# Altium PCB Freezer_Controller.PcbDoc (part 2 of 3)
Units mm, origin at the board's own origin, x right, y up, seen from the top; angles counter-clockwise.
Board outline 100 x 143.2 mm, 4 copper layers (Top Layer, Layer 1, Layer 2, Bottom Layer), stack 1.56 mm thick; 351 components, 222 nets, 1051 pads, 501 vias.
Unrouted connection lines stored in the file: 1.
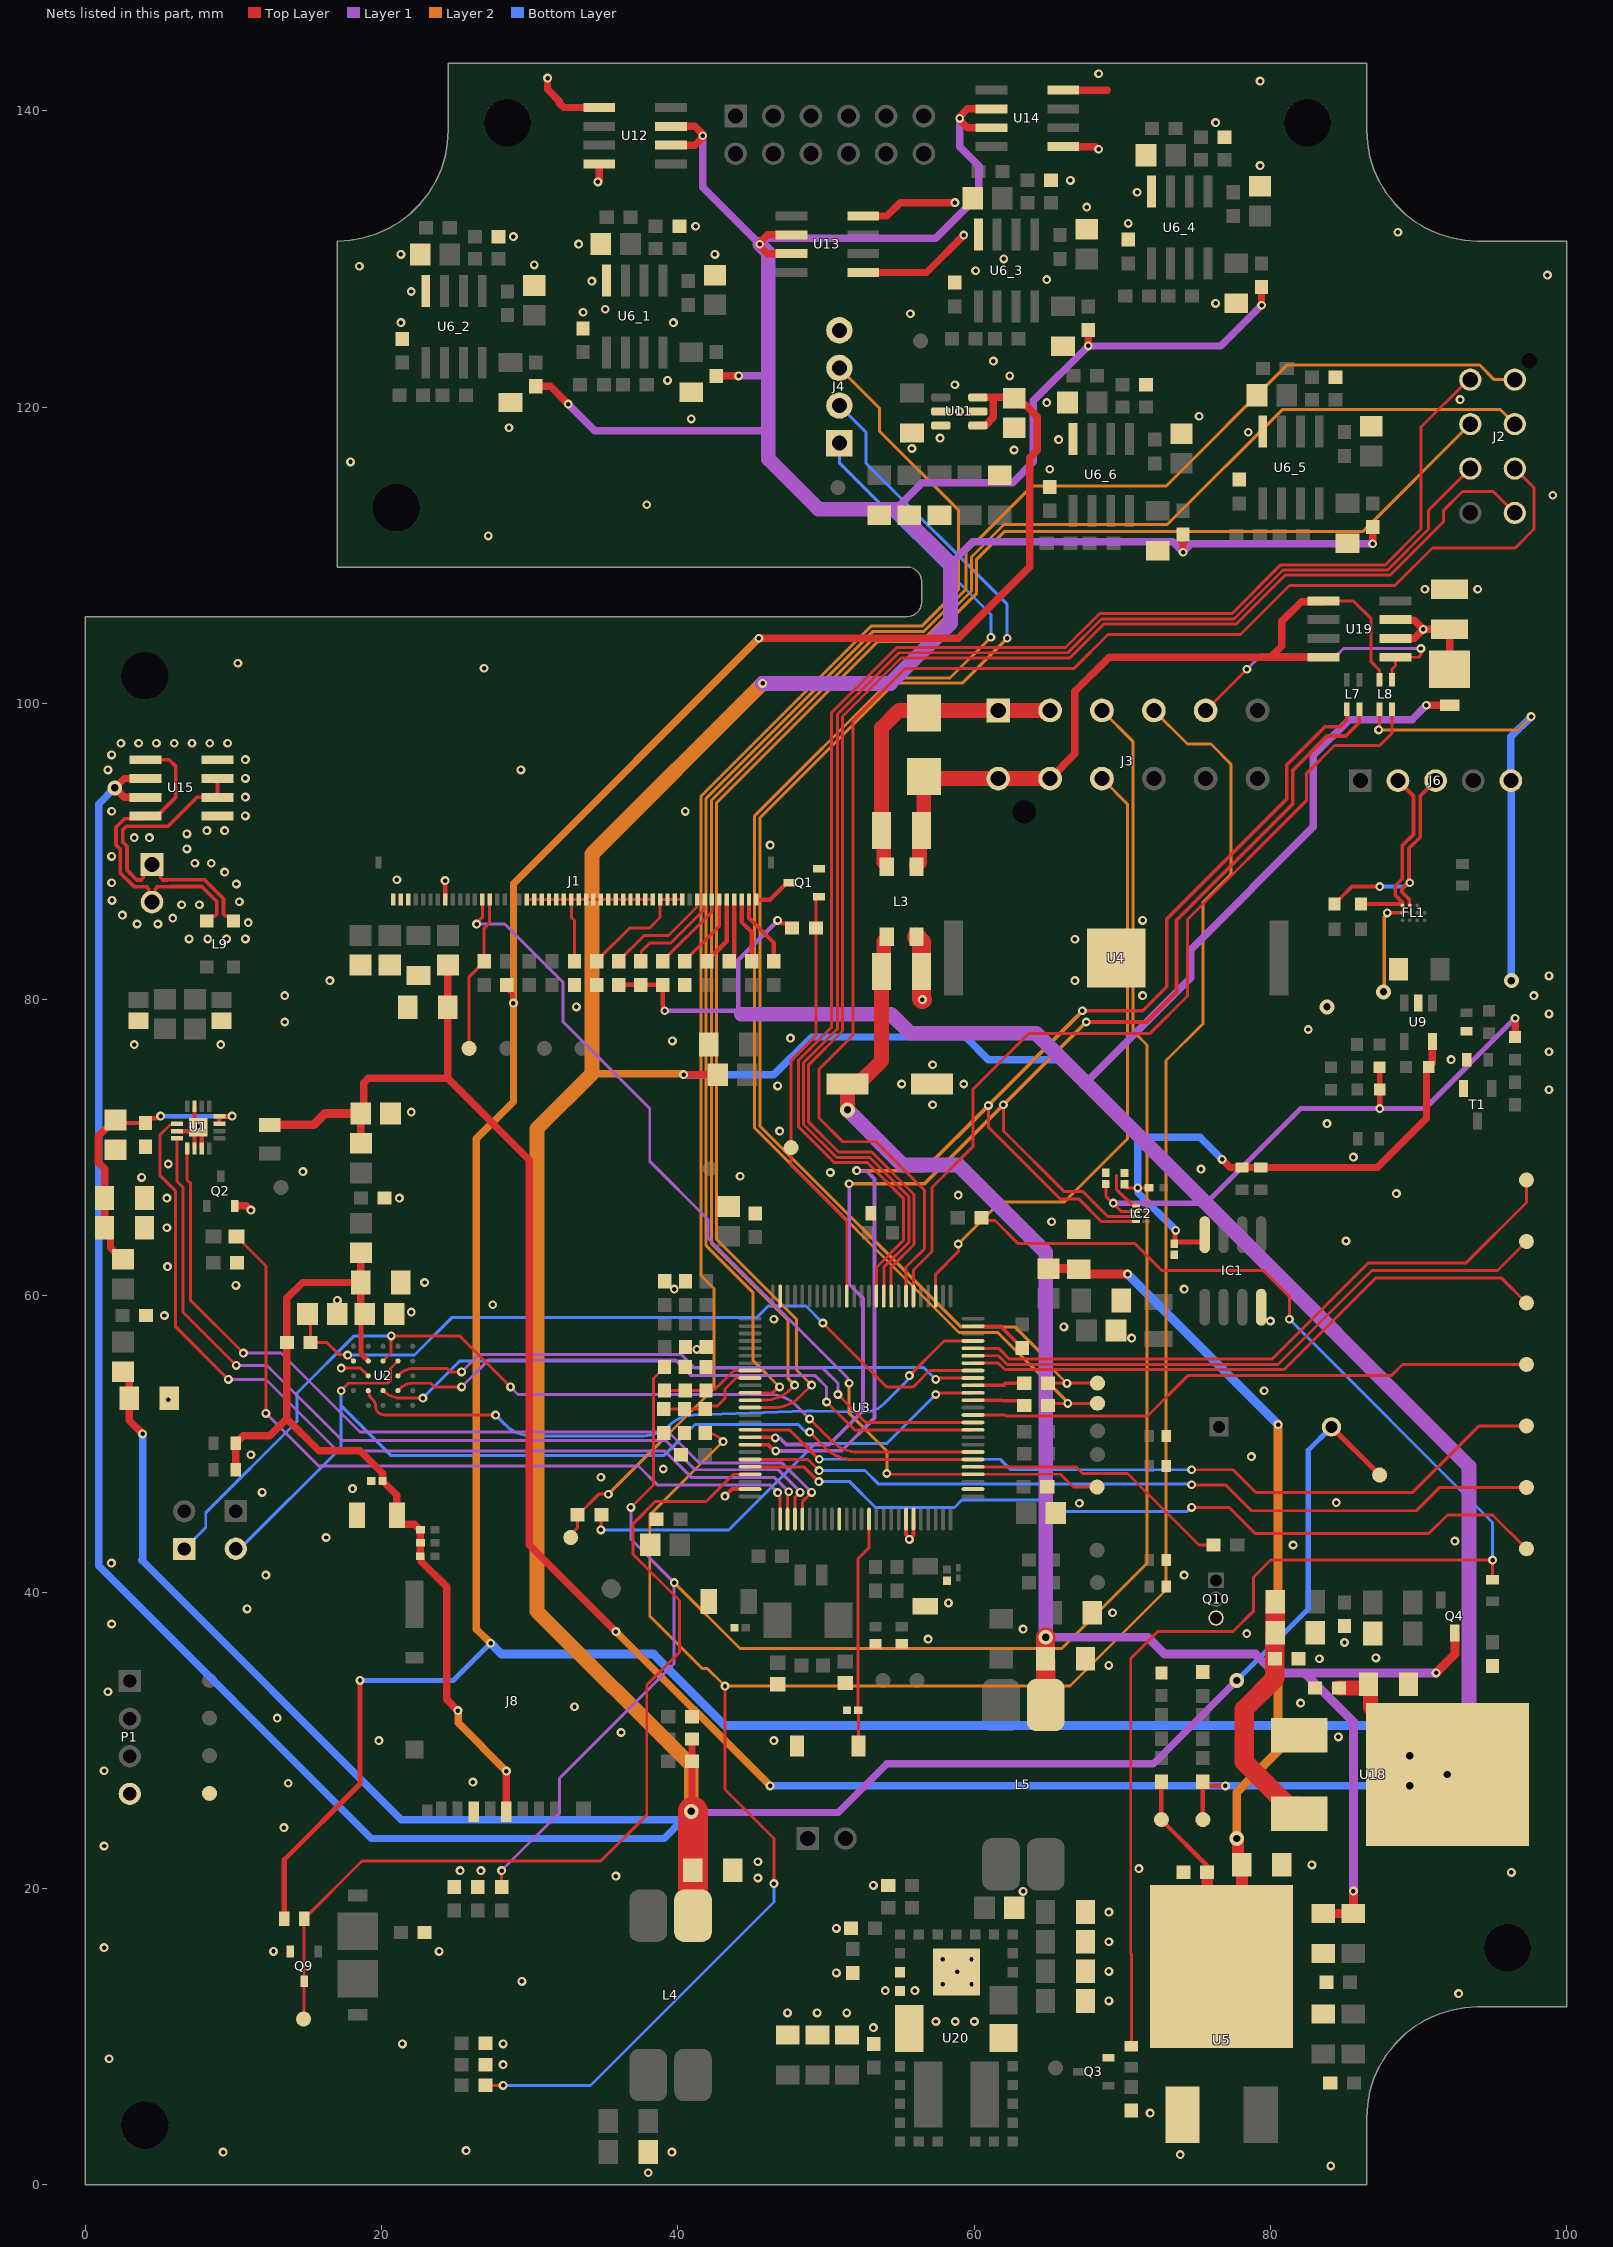
[diagram p4: the nets of this part, all layers, seen from the top]

## Part data
3V3 +3.3V +5V EXT_PWR_ON TP1: "Test Point 0.3mm", ComponentLink1Description=Datasheet, PartType=Mechanical
BTN1 BTN2 BTN3 CLK DIO GND IO1 IO2 IO3 IO4 IO5 IO6 IO7 RTD1 RTD2 RTD3 RTD4 RTD5 RTD6 SD_MODE1 TP2 TP20 TP21 TP22 TP23 TP24 TP25 TP26 TP27 VCC: library part NS00254, "Testpoint 2mm round", Part Number=NS00254, Type=Mechanical
C1 C2 C10 C11 C14 C15 C16 C26 C27 C35_1 C35_2 C35_3 C35_4 C35_5 C35_6 C45 C46 C59 C60 C61 C62 C63 C64 C65 C76 C77 C80 C86 C89 C92: library part NS00832, "CAP CER 10UF 50V X7R 1206", Supplier Part Number 1=1276-6767-1-ND, Alternatives=Generic, Part Number=NS00832, Supplier 1=Digi-Key, Type=C
C3 C13 C52: library part NS00871, "CAP CER 1UF 50V X7R 0805", Supplier Part Number 1=1276-6470-1-ND, Alternatives=Generic, Part Number=NS00871, Supplier 1=Digi-Key, Type=C
C4 C34_1 C34_2 C34_3 C34_4 C34_5 C34_6 C55 C56 C57 C58 C78 C79 C81 C82 C83 C84 C85 C88 C90 C91 C94: library part NS00848, "CAP CER 10000PF 100V C0G 0603", Supplier Part Number 1=445-172665-1-ND, Alternatives=Generic, Part Number=NS00848, Supplier 1=Digi-Key, Type=C
C5 C6: library part CMP-1036-02336-2, Manufacturer=Kemet, Part Number=C0805C221J2GACTU
C7 C12 C17 C22 C23 C24 C25 C36_1 C36_2 C36_3 C36_4 C36_5 C36_6 C37_1 C37_2 C37_3 C37_4 C37_5 C37_6 C71 C87: library part NS00353, "0.10µF ±10% 50V Ceramic Capacitor X7R 0805 (2012 Metric)", Supplier Part Number 1=478-1395-1-ND, Alternatives=Generic, Part Number=NS00353, Supplier 1=Digi-Key, Type=C
C8 C9: library part CMP-2006-02630-1, "GRM1885C1H200JA01J", Manufacturer=Murata, Part Number=GRM1885C1H200JA01J
C18 C19 C20 C21: library part NS00847, "CAP CER 1000PF 100V C0G/NP0 0603", Supplier Part Number 1=732-12187-1-ND, Alternatives=Generic, Part Number=NS00847, Supplier 1=Digi-Key, Type=C
C28 C30 C32 C70 C73 C74 C75: library part CMP-0001-00074-2, Supplier Part Number 1=399-C0402C104K4RAC7867TR-ND
  C28 C30 C70: Supplier 1=Digi-Key
  C32 C73 C74 C75: Suuplier 1=Digi-Key
C29 C31 C33: library part "Cap Semi", "Capacitor (Semiconductor SIM Model)", Supplier Part Number 1=399-C1206C105K4RAC7800TR-ND, LatestRevisionDate=29-May-2009, LatestRevisionNote="IPC-7351 Footprint Added.", PackageDescription="Chip Capacitor", PackageReference=C1206, Published=8-Jun-2000, Publisher="Altium Limited", Supplier 1=Digi-Key
C38 C39 C40 C41 C43 C44: library part CMP-2000-06093-2, "CAP CER 1UF 16V X7R 0603", Manufacturer="Samsung Electro-Mechanics America, Inc", Manufacturer Part Number=CL10B105KO8NNNC, Supplier Part Number=1276-1019-2-ND, Temperature="-55°C to +125°C", Temperature Characteristic=X7R, Temperature Coefficient=15%, Temperature Range High=+125°C, Temperature Range Low=-55°C, Tolerance=10%, Voltage Rating=16V, Automotive=No, Capacitance=1uF, Category=Cap, ComponentLink2Description=Datasheet, ComponentLink2URL=http://www.samsungsem.com/global/front/downloadcms.do?path=%2F%2Fglobal%2F%2Fsupport%2F%2Fproduct-search%2F%2Fmlcc%2F%2F__icsFiles%2F%2Fafieldfile%2F%2F2019%2F%2F06%2F%2F18&fileName=CL10B105KO8NNNC-19.pdf, Device Class L1="Passive Components", Device Class L2=Capacitors, Device Class L3="Ceramic Capacitors", Digikey Description="CAP CER 1UF 16V X7R 0603", Height=0.9mm, Ipc Land Pattern Name=CAPC16080X80, Lead Free=Yes, Material=Ceramic, Octopart=https://octopart.com/cl10b105ko8nnnc-samsung-19018973, Package=CL10B105KO8NNNC, RoHS=TRUE, Supplier 1=Digikey
C42: library part "Cap Pol1", "Polarized Capacitor (Radial)", Published=8-Jun-2000, Publisher="Altium Limited", Revision="July-2002: Re-released for DXP Platform."
C47 C48 C53 C66 C67 C68 C69: library part NS00824, "CAP CER 2.2UF 50V X7R 1206", Supplier Part Number 1=1276-3137-1-ND, Alternatives=Generic, Part Number=NS00824, Supplier 1=Digi-Key, Type=C
C49: library part NS00911, "CAP ALUM 100UF 20% 35V SMD", Supplier Part Number 1=PCE5051CT-ND, Alternatives=Generic, Part Number=NS00911, Supplier 1=Digi-Key, Type=C
C50 C51 C72: library part NS00779, "MLCC 10UF 100V X7S 1210", Supplier Part Number 1=1276-CL32Y106KCVZNWECT-ND, Alternatives=Generic, Part Number=NS00779, Supplier 1=Digi-Key, Type=C
D1 D8 D9: library part NS00945, "LED RED CLEAR 1608 SMD", Supplier Part Number 1=3147-B1911USD-20D000114U1930CT-ND, ComponentLink1Description=Datasheet, ComponentLink1URL=H:\Doc\Harvatek\B1911USD-20D000114U1930.pdf, Part Number=NS00945, Supplier 1=Digi-Key, Type=IC
D2: library part MCD-00251, "High power transient voltage suppressor, 7V breakdown", Manuf_1=STM, ComponentLink1URL=ST_ESDA7P60-1U1M.pdf, ECCN_US/EU=EAR99/NEC, Fitted=YES, Internal_Part_Number=MCD-00251, Manuf_Part_1=ESDA7P60-1U1M, Manufacturer_1=STM, Manufacturer_Part_Number_1=ESDA7P60-1U1M, Ordered by=STM, PartType=ICS, Provided_By=STM
D4: library part NS00890, "TVS DIODE 28VWM 45.4VC SMB", Supplier Part Number 1=SMBJ28CAQ-13-FDICT-ND, ComponentLink1Description=Datasheet, ComponentLink1URL=H:\Doc\Diodes\SMBJ6.5CAQ-SMBJ100CAQ.pdf, Part Number=NS00890, Supplier 1=Digi-Key, Type=Diode
D6 D7 D10: library part NS00857, "SCHOTTKY RECTIFIER 3A 100V SMP", Supplier Part Number 1=112-V3PM10-M3/HCT-ND, ComponentLink1Description=Datasheet, ComponentLink1URL=H:\Doc\Vishay\v3pm10.pdf, Part Number=NS00857, Supplier 1=Digi-Key, Type=Diode
FB1 FB2 FB3 FB4 FB5 FB6 FB7 FB11 FB12: library part NS00881, "WE-CBA SMT EMI SUPPRESSION FERRITE", Supplier Part Number 1=732-782853162CT-ND, ComponentLink1Description=Datasheet, ComponentLink1URL=H:\Doc\Wurth\782853162.pdf, Part Number=NS00881, Supplier 1=Digi-Key, Type=Inductor
FB8 FB9 FB10 FB16: library part NS00883, "FERRITE BEAD 120 OHM 1206 1LN", Supplier Part Number 1=490-16523-1-ND, ComponentLink1Description=Datasheet, ComponentLink1URL=H:\Doc\Murata\QNFA9148.pdf, Part Number=NS00883, Supplier 1=Digi-Key, Type=Inductor
FL1: library part CMP-12082-000002-1, "FILTER RC(PI) 33 OHM/20PF SMD", Case/Package=FCBGA, DC Resistance (DCR)=2R, Max Operating Temperature=85°C, Min Operating Temperature=-40°C, Package Quantity=5000, Tolerance=5%, Depth=1.57mm, ESD Protection=Yes, Height=0.028inch, Lead Free="Lead Free", Length=1.94mm, Mount="Surface Mount", Number of Channels=2, Number of Pins=11, Packaging="Tape and Reel", Radiation Hardening=No, REACH SVHC="No SVHC", RoHS Compliant=Yes, Series=EMIF, Termination=Flat, Width=0.057inch
IC1: "Integrated Circuit", Manufacturer_Name="Maxim Integrated", Mouser Part Number=700-DS1307Z, RS Part Number=1698316, Supplier Part Number 1=DS1307Z+-ND, Datasheet Link=http://datasheets.maximintegrated.com/en/ds/DS1307.pdf, Height=1.75mm, Manufacturer_Part_Number=DS1307Z+, Mouser Price/Stock=https://www.mouser.com/Search/Refine.aspx?Keyword=700-DS1307Z, RS Price/Stock=http://uk.rs-online.com/web/p/products/1698316, Supplier 1=Digi-Key
IC2: "Integrated Circuit", Manufacturer_Name="Texas Instruments", Mouser Part Number=595-PCA9306DQER, Supplier Part Number 1=296-27957-2-ND, Arrow Part Number=PCA9306DQER, Arrow Price/Stock=https://www.arrow.com/en/products/pca9306dqer/texas-instruments, Datasheet Link=http://www.ti.com/lit/ds/symlink/pca9306.pdf, Height=0.4mm, Manufacturer_Part_Number=PCA9306DQER, Mouser Price/Stock=https://www.mouser.co.uk/ProductDetail/Texas-Instruments/PCA9306DQER?qs=g5raLcSarOb3s8X2FUFJYw%3D%3D, Supplier 1=Digi-Key
J1: library part NS00813, "CONN FFC 50 WAY", ComponentLink1Description=Datasheet, ComponentLink1URL=H:\Doc\Hirose\FH34SRJ-50S-0.5SH(50)_CL0580-1266-2-50_SpecSheet_0000414509.pdf, ComponentLink2Description=Drawing, ComponentLink2URL=H:\Doc\Hirose\FH34SRJ-50S-0.5SH(50)_CL0580-1266-2-50_2DDrawing_0001483059.pdf, Part Number=NS00813, Supplier 1=Digi-Key, Supplier Part Number 1=FH34SRJ-50S-0.5SH(50), Type=Connector
J2: library part "Header 4X2", "Header, 4-Pin, Dual row", LatestRevisionDate=17-Jul-2002, LatestRevisionNote="Re-released for DXP Platform.", Publisher="Altium Limited", Supplier 1=Farnell, Supplier Part Number 1=MC-254-08-00-ST-DIP
J3: library part NS00894, "CONN HEADER VERT 12POS 3.5MM", Supplier Part Number 1=WM11767-ND, ComponentLink1Description=Datasheet, ComponentLink1URL=H:\Doc\Molex\1722982212_PCB_HEADERS.pdf, ComponentLink2Description="Application Specification", ComponentLink2URL=H:\Doc\Molex\AS-172323-0001-001.pdf, ComponentLink3Description=Drawing, ComponentLink3URL=H:\Doc\Molex\1722982212_sd.pdf, Part Number=NS00894, Supplier 1=Digi-Key, Type=Connector
J4: library part NS00337, "4 Positions Header, Unshrouded Connector 0.100\" (2.54mm) Through Hole Gold", Supplier Part Number 1=WM2702-ND, Alternatives=Generic, ComponentLink1Description=Datasheet, ComponentLink1URL=H:\Doc\Molex\PS-10-07.pdf, ComponentLink2Description=Drawing, ComponentLink2URL=H:\Doc\Molex\022112022_sd.pdf, Part Number=NS00337, Supplier 1=Digi-Key, Type=Connector
J5: library part NS00892, "CONN HEADER VERT 12POS 2.54MM", Supplier Part Number 1=SAM8941-ND, ComponentLink1Description=Datasheet, ComponentLink1URL=H:\Doc\Samtec\100_mini_mate.pdf, ComponentLink2Description=Dimensions, ComponentLink2URL=H:\Doc\Samtec\ipl1.pdf, Part Number=NS00892, Supplier 1=Digi-Key, Type=Connector
J6: library part NS00898, "CONN HEADER VERT 5POS 2.54MM", Supplier Part Number 1=SAM10577-ND, ComponentLink1Description=Datasheet, ComponentLink1URL=H:\Doc\Samtec\100_mini_mate.pdf, ComponentLink2Description=Dimensions, ComponentLink2URL=H:\Doc\Samtec\ipl1.pdf, Part Number=NS00898, Supplier 1=Digi-Key, Type=Connector
J7 J9: library part NS00896, "CONN HEADER VERT 2POS 2.54MM", Supplier Part Number 1=SAM8824-ND, ComponentLink1Description=Datasheet, ComponentLink1URL=H:\Doc\Samtec\100_mini_mate.pdf, ComponentLink2Description=Dimensions, ComponentLink2URL=H:\Doc\Samtec\ipl1.pdf, Part Number=NS00896, Supplier 1=Digi-Key, Type=Connector
J8: library part CMP-11597-000004-1, "CONN MICRO SD CARD PUSH-PUSH R/A", Contact Resistance=100mR, Current Rating=500mA, Flammability Rating="UL94 V-0", Insulation Resistance=1GR, Max Operating Temperature=85°C, Max Voltage Rating (AC)=125V, Min Operating Temperature=-25°C, Package Quantity=1, Supplier Part Number 1=HR1942TR-ND, Connector Type=Connector, Contact Material="Copper Alloy", Contact Plating=Gold, Depth=1.83mm, Gender=Female, Housing Material=Polymer, Lead Free="Lead Free", Length=13.85mm, Max Current Rating=500mA, Mount="Surface Mount", Number of Contacts=8, Number of Positions=8, Number of Rows=1, Orientation="Right Angle", Packaging="Tape and Reel", Pitch=1.1mm, Radiation Hardening=No, REACH SVHC="No SVHC", Supplier 1=Digi-Key, Termination=Solder, Voltage Rating (AC)=125V, Width=16.05mm
L3: library part NS00257, "CHOKE COMMON MODE 420 OHM SMD", Supplier Part Number 1=445-8644-1-ND, ComponentLink1Description=Datasheet, ComponentLink1URL=H:\Doc\TDK\cmf_commercial_power_acm4520_en.pdf, Part Number=NS00257, Supplier 1=Digi-Key, Type=Inductor
L4 L5: library part NS00831, "INDUCT ARRAY 2 COIL 6.6UH SMD", Supplier Part Number 1=553-3631-ND, ComponentLink1Description=Datasheet, ComponentLink1URL=H:\Doc\pulse\SPM2007_28.pdf, Part Number=NS00831, Supplier 1=Digi-Key, Type=Inductor
L7 L8: library part NS00042, "INDUCTOR COMMON MODE 90 OHM 25%", Supplier Part Number 1=SRF2012-900YATR-ND, ComponentLink1Description=Datasheet, ComponentLink1URL=H:\Doc\Bourns\SRF2012A.pdf, Part Number=NS00042, Supplier 1=Digi-Key, Type=Inductor
L9: library part NS00953, "CMC 1A 2LN 600 OHM SMD", Supplier Part Number 1=553-PE-1210CCMC601STSCT-ND, ComponentLink1Description=Datasheet, ComponentLink1URL=H:\Doc\pulse\datasheet_w719_1608373692.pdf, Part Number=NS00953, Supplier 1=Digi-Key, Type=Inductor
L10: library part Inductor, "Inductor", Supplier Part Number 1=490-5622-2-ND, Code_IEC=1005, Code_JEITA=0402, LatestRevisionDate=29-May-2009, LatestRevisionNote="IPC-7351 Footprint Added.", PackageDescription="Chip Inductor", PackageReference=0402-A, Published=8-Jun-2000, Publisher="Altium Limited", Supplier 1=Digi-Key
LD1 LD2: library part LED2, "Typical RED, GREEN, YELLOW, AMBER GaAs LED", Published=8-Jun-2000, Publisher="Altium Limited", Revision="July-2002: Re-released for DXP Platform."
LED1: "LED", Manufacturer_Name="Wurth Elektronik", Mouser Part Number=710-150060GS73220, RS Part Number=1766086, Supplier Part Number 1=732-11995-2-ND, Datasheet Link=https://katalog.we-online.de/led/datasheet/150060GS73220.pdf, Height=0.3mm, Manufacturer_Part_Number=150060GS73220, Mouser Price/Stock=https://www.mouser.com/Search/Refine.aspx?Keyword=710-150060GS73220, RS Price/Stock=https://uk.rs-online.com/web/p/products/1766086, Supplier 1=Digi-Key
LS1: library part CMP-231724-000001-1, "AUDIO MAGNETIC INDICATOR 3-7V TH", Color=Black, Current Rating=30mA, Frequency=2.3kHz, Max Operating Temperature=85°C, Max Supply Voltage=7V, Min Operating Temperature=-40°C, Min Supply Voltage=3V, Nominal Supply Voltage (DC)=5V, Package Quantity=100, Supplier Part Number 1=668-1019-ND, Bandwidth=2.3kHz, Contact Plating=Tin, Diameter=12mm, Height=9.5mm, Input Current=30mA, Input Type=DC, Lead Free="Lead Free", Length=12mm, Max Supply Current=30mA, Max Supply Voltage (DC)=7V, Min Supply Voltage (DC)=3V, Mount="Through Hole", Operating Supply Current=30mA, Packaging=Tray, REACH SVHC="No SVHC", Self Resonant Frequency=2.3kHz, Sensing Method=Magnetic, Series=AI, Supplier 1=Digi-Key, Termination="PC Pins", Voltage Rating (DC)=5V, Washable=Yes, Weight=0.01lb, Width=12mm
P1: library part "Header 4", "Header, 4-Pin", Supplier Part Number 1=SAM1112-04-ND, LatestRevisionDate=17-Jul-2002, LatestRevisionNote="Re-released for DXP Platform.", Publisher="Altium Limited", Supplier 1=Digi-Key
P2 P3: "Header, 2-Pin", LatestRevisionDate=17-Jul-2002, LatestRevisionNote="Re-released for DXP Platform.", Publisher="Altium Limited"
Q1 Q2 Q3 Q9: library part NS00873, "MOSFET N-CH 60V 210MA SOT23", Supplier Part Number 1=DMN67D8L-7DICT-ND, ComponentLink1Description=Datasheet, ComponentLink1URL=H:\Doc\Diodes\DMN67D8L.pdf, LatestRevisionDate=17-Jul-2002, LatestRevisionNote="Re-released for DXP Platform.", PackageReference=E3, PackageVersion=1995/1996, Part Number=NS00873, Published=8-Jun-2000, Publisher="Altium Limited", Supplier 1=Digi-Key, Type=IC
Q4: library part NS00810, "P-CHANNEL MOSFET,  / BSS308PE-HXY", Supplier Part Number 1=353-MCU45P03A-TPCT-ND, ComponentLink1Description=Datasheet, ComponentLink1URL=H:\Doc\MicroCommercial\MCU45P03A(DPAK).pdf, Part Number=NS00810, Supplier 1=Digi-Key, Type=IC
Q10: library part CMP-1048-01467-1, "Amplifier Transistor, NPN Silicon, 3-Pin TO-92, Bulk Box", Manufacturer="On Semiconductor", Supplier Part Number 1=BC547BFS-ND, ComponentLink1Description="Manufacturer URL", ComponentLink1URL=http://www.onsemi.com/, ComponentLink2Description=Datasheet, ComponentLink2URL=http://www.onsemi.com/pub_link/Collateral/BC546-D.PDF, ComponentLink3Description="Package Specification", ComponentLink3URL=http://www.onsemi.cn/pub_link/Collateral/2N6426-D.PDF, DatasheetVersion="Rev. 7", fT Min (MHz)=150, IC Continuous (A)=0.1, Mounting Technology="Through Hole", PackageDescription="3-Pin Transistor Outline, Body 4.825 x 3.685 mm, Pitch 1.27 mm", PackageReference=TO-92-3-29-11_AM_SL, PackageVersion="Rev. AM", Packing="Bulk Box", PartNumber=BC547B, Polarity=NPN, RoHS=FALSE, Supplier 1=Digi-Key
R1: library part CMP-1013-00827-2, "RES Thick Film, 634kΩ, 1%, 0.125W, 100ppm/°C, 0805", Case Code (Imperial)=0805, Case Code (Metric)=2012, Max Operating Temperature=155°C, Max Power Dissipation=125mW, Min Operating Temperature=-55°C, Package Quantity=10, Resistance=634kR, Temperature Coefficient=100ppm/°C, Tolerance=1%, Voltage Rating=150V, Case/Package=0805, Composition="Thick Film", Contact Plating=Tin, Depth=1.25mm, Features="Automotive AEC-Q200", Height=0.02inch, Lead Free="Lead Free", Length=2mm, Military Standard=Not, Number of Terminations=2, Packaging="Tape and Reel", Power Rating=125mW, Radiation Hardening=No, Supplier 1=Digi-Key, Supplier Part Number 1=CRCW0805634KFKEA, Termination=SMD/SMT, Voltage Rating (DC)=150V, Weight=0.000194oz, Width=0.049inch
R2 R6 R7 R12 R32_1 R32_2 R32_3 R32_4 R32_5 R32_6 R71 R83 R84 R85 R86 R87 R88 R100: library part NS00820, "RES 10K OHM 1% 1/10W 0603", Supplier Part Number 1=RMCF0603FT10K0CT-ND, Alternatives=Generic, Part Number=NS00820, Supplier 1=Digi-Key, Type=R
R3 R22 R23 R130 R131: library part Res3, "Resistor", Supplier Part Number 1=311-10KDTR-ND, LatestRevisionDate=29-May-2009, LatestRevisionNote="IPC-7351 Footprint Added.", PackageDescription="Chip Resistor", PackageReference=J1-0603, Published=8-Jun-2000, Publisher="Altium Limited", Supplier 1=Digi-Key
R4: library part CMP-2000-03016-2, "RES Thick Film, 1MΩ, 5%, 0.1W, 200ppm/°C, 0603", Case Code (Imperial)=0603, Case Code (Metric)=1608, Max Operating Temperature=155°C, Max Power Dissipation=100mW, Min Operating Temperature=-55°C, Package Quantity=1, Resistance=1MR, Temperature Coefficient=200ppm/°C, Tolerance=5%, Voltage Rating=75V, Case/Package=0603, Composition="Thick Film", Contact Plating=Tin, Depth=0.85mm, Features="Automotive AEC-Q200", Height=0.02inch, Length=1.55mm, Military Standard=Not, Mount="Surface Mount", Number of Pins=2, Number of Terminations=2, Packaging="Tape and Reel", Power Rating=100mW, Radiation Hardening=No, Termination=SMD/SMT, Weight=7.1E-05oz, Width=0.85mm
R5: library part CMP-1659-00008-4, "Chip Resistor, 10 Ohm, +/- 1%, 0.1 W, -55 to 155 degC, 0603 (1608 Metric), RoHS, Tape and Reel", Manufacturer=Yageo, Max Operating Temperature="155 degC", Min Operating Temperature="-55 degC", Package Quantity=200, Supplier Part Number 1=311-10.0HRTR-ND, Voltage Rating="50 V", ComponentLink1Description="Manufacturer URL", ComponentLink1URL=http://www.yageo.com/, ComponentLink2Description=Datasheet, ComponentLink2URL=http://www.yageo.com/documents/recent/PYu-RC_Group_51_RoHS_L_04.pdf, ComponentLink3Description="Package Specification", ComponentLink3URL=http://www.farnell.com/datasheets/443971.pdf, DatasheetVersion="Rev. 4, 02/2016", Height="0.45 mm", Length="1.6 mm", Mount="Surface Mount", Mounting Technology="Surface Mount", PackageDescription="2-Pin Surface Mount Device, Body 1.6 x 0.8 mm", PackageReference=0603, Packaging="Tape and Reel", Pins=2, REACH SVHC="No SVHC", RoHSCompliant=true, Supplier 1=Digi-Key
R9 R10 R11 R13: library part NS00814, "RES 68 OHM 1% 1/10W 0603", Supplier Part Number 1=1292-WR06X68R0FTLCT-ND, Alternatives=Generic, Part Number=NS00814, Supplier 1=Digi-Key, Type=R
R14 R15 R17 R19 R24 R74 R75 R76 R82 R89 R90 R91 R110: library part NS00876, "RES 0 OHM JUMPER 1/10W 0603", Supplier Part Number 1=RMCF0603ZT0R00CT-ND, Alternatives=Generic, Part Number=NS00876, Supplier 1=Digi-Key, Type=R
R21: library part CMP-02407-013160-1, "RES SMD 50 OHM 2% 1.5W 0603", Case Code (Imperial)=0603, Case Code (Metric)=1608, Max Operating Temperature=155°C, Max Power Dissipation=3.9W, Min Operating Temperature=-55°C, Resistor Type="Thick Film", Temperature Coefficient=150ppm/°C, Tolerance=2%, Case/Package=0603, Depth=0.81mm, Features="Moisture Resistant", Height=0.023inch, Length=0.063inch, Mount="Surface Mount", Number of Terminations=2, Packaging="Cut Tape", Power Rating=3.9W, Resistance=50R, Series=RCP, Technology="THICK FILM", Termination=Solder, Width=0.032inch
R25 R93 R99 R118 R120 R122 R124: library part NS00835, "RES 100K OHM 1% 1/10W 0603", Supplier Part Number 1=RMCF0603FT100KCT-ND, Alternatives=Generic, Part Number=NS00835, Supplier 1=Digi-Key, Type=R
R26: library part CMP-1012-00284-2, "Thick Film Chip Resistors 0603 10Ω 0.1W 1% 100ppm/°C", Case Code (Imperial)=0603, Case Code (Metric)=1608, Max Operating Temperature=155°C, Max Power Dissipation=100mW, Min Operating Temperature=-55°C, Package Quantity=1, Resistance=10R, Temperature Coefficient=100ppm/°C, Tolerance=1%, Voltage Rating=50V, Case/Package=0603, Composition="Thick Film", Contact Plating=Tin, Depth=0.8mm, Features="Moisture Resistant", Height=0.45mm, Length=1.6mm, Military Standard=Not, Mount="Surface Mount", Number of Pins=2, Number of Terminations=2, Packaging="Tape and Reel", Power Rating=100mW, Radiation Hardening=No, REACH SVHC="No SVHC", Termination=SMD/SMT, Thickness=457um, Voltage Rating (DC)=50V, Width=0.8mm
R27: library part CMP-02407-007689-1, "RES SMD 1 kOHM 1% 1/8W 0603", Case Code (Imperial)=0603, Case Code (Metric)=1608, Max Operating Temperature=155°C, Max Power Dissipation=125mW, Min Operating Temperature=-55°C, Package Quantity=1, Resistance=150R, Supplier Part Number 1=311-1.0KGRTR-ND, Temperature Coefficient=25ppm/°C, Tolerance=0.1%, Voltage Rating=75V, Case/Package=0603, Composition="Thin Film", Contact Plating=Tin, Depth=0.85mm, Features="Automotive AEC-Q200", Height=0.45mm, Length=0.061inch, Number of Pins=2, Number of Terminations=2, Packaging="Tape and Reel", Power Rating=125mW, Radiation Hardening=No, REACH SVHC="No SVHC", Supplier 1=Digi-Key, Termination=SMD/SMT, Voltage Rating (DC)=75V, Weight=7.1E-05oz, Width=0.033inch
R28 R37 R45 R80 R81 R103 R104 R115 R116: library part NS00870, "RES 100 OHM 1% 1/10W 0603", Supplier Part Number 1=RMCF0603FT100RCT-ND, Alternatives=Generic, Part Number=NS00870, Supplier 1=Digi-Key, Type=R
R29 R128 R129: library part Res3, "Resistor", Supplier Part Number 1=311-2131-2-ND, LatestRevisionDate=29-May-2009, LatestRevisionNote="IPC-7351 Footprint Added.", PackageDescription="Chip Resistor", PackageReference=J1-0603, Published=8-Jun-2000, Publisher="Altium Limited", Supplier 1=Digi-Key
R30_1 R30_2 R30_3 R30_4 R30_5 R30_6: library part NS00884, "RES SMD 1.02KOHM 0.1% 1/10W 0603", Supplier Part Number 1=YAG2308CT-ND, Alternatives=Generic, Part Number=NS00884, Supplier 1=Digi-Key, Type=R
R31_1 R31_2 R31_3 R31_4 R31_5 R31_6: library part NS00796, "RES 10 OHM 1% 1/10W 0603", Supplier Part Number 1=1292-WR06X10R0FTLCT-ND, Alternatives=Generic, Part Number=NS00796, Supplier 1=Digi-Key, Type=R
R33_1 R33_2 R33_3 R33_4 R33_5 R33_6 R35_1 R35_2 R35_3 R35_4 R35_5 R35_6: library part NS00885, "RES SMD 10K OHM 0.1% 1/10W 0603", Supplier Part Number 1=YAG1236CT-ND, Alternatives=Generic, Part Number=NS00885, Supplier 1=Digi-Key, Type=R
R34_1 R34_2 R34_3 R34_4 R34_5 R34_6 R36_1 R36_2 R36_3 R36_4 R36_5 R36_6: library part NS00886, "RES SMD 19.1KOHM 0.1% 1/10W 0603", Supplier Part Number 1=YAG1555CT-ND, Alternatives=Generic, Part Number=NS00886, Supplier 1=Digi-Key, Type=R
R38 R39: library part CMP-03412-001872-1, "RES SMD 22 OHM 0.1% 1/10W 0603", Manufacturer=Yageo, Package=RT0603, Power Rating=0.1W, Resistance=22Ω, Temperature="-55°C to +155°C", Temperature Coefficient="25 ppm/°C", Temperature Range High=+155°C, Temperature Range Low=-55°C, Tolerance=0.001, Voltage Rating=75V, Automotive=No, Category=Res, ComponentLink2Description=Datasheet, ComponentLink2URL=http://www.yageo.com/documents/recent/PYu-RT_1-to-0.01_RoHS_L_9.pdf, Composition="Thin Film", Device Class L1="Passive Components", Device Class L2=Resistors, Device Class L3="Chip SMD Resistors", Digikey Description="RES SMD 22 OHM 0.1% 1/10W 0603", Footprint Url=http://www.yageo.com/exep/pages/download/literatures/PYu-R_Mount_10.pdf, Height=0.55mm, Ipc Land Pattern Name=RESC16080X45, Lead Free=Yes, Manufacturer Part Number=RT0603BRD0722RL, Mouser Description="Res SMD 22 Ohm 0.1% 1/10W 0603", Octopart=https://octopart.com/rt0603brd0722rl-yageo-1422899, RoHS=TRUE, Series=RT
R40 R41: library part CMP-07231-000023-1, "Thick Film Chip Resistors 0603 0Ω 0.1W 5%", Case Code (Imperial)=0603, Case Code (Metric)=1608, Max Operating Temperature=155°C, Max Power Dissipation=100mW, Min Operating Temperature=-55°C, Package Quantity=5000, Resistance=0mR, Temperature Coefficient=500ppm/°C, Tolerance=1%, Voltage Rating=50V, Case/Package=0603, Composition="Thick Film", Contact Plating=Tin, Depth=0.8mm, Height=0.45mm, Length=1.6mm, Military Standard=Not, Mount="Surface Mount", Number of Pins=2, Packaging="Tape and Reel", Power Rating=100mW, Radiation Hardening=No, REACH SVHC="No SVHC", Termination=SMD/SMT, Thickness=457um, Voltage Rating (DC)=50V, Width=0.8mm
R42: library part CMP-2000-00956-2, "RES SMD 22K OHM 0.1% 1/10W 0603", Case Code (Imperial)=0603, Case Code (Metric)=1608, Max Operating Temperature=155°C, Max Power Dissipation=100mW, Min Operating Temperature=-55°C, Package Quantity=1, Resistance=22kR, Resistance Tolerance=0.1%, Resistor Type="Thin Film", Temperature Coefficient=25ppm/°C, Voltage Rating=75V, Case/Package=0603, Construction=Rectangular, Contact Plating=Tin, Depth=0.8mm, Features="Automotive AEC-Q200", Height=0.45mm, Lead Free="Lead Free", Length=1.6mm, Military Standard=Not, Mount="Surface Mount", Number of Pins=2, Number of Terminations=2, Packaging="Tape and Reel", Power Rating=100mW, Radiation Hardening=No, REACH SVHC="No SVHC", RoHS Compliant=Yes, Series=ERA-3A, Size Code=0603, Technology="THIN FILM", Termination=Solder, Tolerance=0.1%, Voltage Rating (DC)=75V, Width=0.8mm
R43 R106 R107: library part NS00946, "RES 2 OHM 1% 1/4W 1206", Supplier Part Number 1=738-RMCF1206FT2R00CT-ND, Alternatives=Generic, Part Number=NS00946, Supplier 1=Digi-Key, Type=R
R46: library part CMP-02407-007689-1, "RES SMD 1kOHM 1% 1/8W 0603", Case Code (Imperial)=0603, Case Code (Metric)=1608, Max Operating Temperature=155°C, Max Power Dissipation=125mW, Min Operating Temperature=-55°C, Package Quantity=1, Resistance=150R, Supplier Part Number 1=311-1.0KGRTR-ND, Temperature Coefficient=25ppm/°C, Tolerance=0.1%, Voltage Rating=75V, Case/Package=0603, Composition="Thin Film", Contact Plating=Tin, Depth=0.85mm, Features="Automotive AEC-Q200", Height=0.45mm, Length=0.061inch, Number of Pins=2, Number of Terminations=2, Packaging="Tape and Reel", Power Rating=125mW, Radiation Hardening=No, REACH SVHC="No SVHC", Supplier 1=Digi-Key, Termination=SMD/SMT, Voltage Rating (DC)=75V, Weight=7.1E-05oz, Width=0.033inch
R47 R48 R112 R125: library part NS00823, "RES 26.7K OHM 1% 1/10W 0603", Supplier Part Number 1=RMCF0603FT26K7, Alternatives=Generic, Part Number=NS00823, Supplier 1=Digi-Key, Type=R
R64 R66 R69: library part Res1, "Resistor", Published=8-Jun-2000, Publisher="Altium Limited", Revision="July-2002: Re-released for DXP Platform."
R65 R68 R117: library part res1, "Resistor", Published=8-Jun-2000, Publisher="Altium Limited", Revision="July-2002: Re-released for DXP Platform."
R109: library part NS00821, "RES 191K OHM 1% 1/10W 0603", Supplier Part Number 1=RMCF0603FT191KCT-ND, Alternatives=Generic, Part Number=NS00821, Supplier 1=Digi-Key, Type=R
R111: library part NS00822, "RES 42.2K OHM 1% 1/10W 0603", Supplier Part Number 1=RMCF0603FT42K2, Alternatives=Generic, Part Number=NS00822, Supplier 1=Digi-Key, Type=R
R119 R121 R123: library part NS00834, "RES 15K OHM 1% 1/10W 0603", Supplier Part Number 1=1292-WR06X1502FTLCT-ND, Alternatives=Generic, Part Number=NS00834, Supplier 1=Digi-Key, Type=R
R132: library part Res3, "Resistor", Supplier Part Number 1=A119933TR-ND, LatestRevisionDate=29-May-2009, LatestRevisionNote="IPC-7351 Footprint Added.", PackageDescription="Chip Resistor", PackageReference=J1-0603, Published=8-Jun-2000, Publisher="Altium Limited", Supplier 1=Digi-Key
S1: library part CMP-17879-000003-1, "SWITCH TACTILE SPST-NO 0.05A 12V", Case/Package=SMD/SMT, Color=Beige, Contact Current Rating=50mA, Contact Resistance=100mR, Max Operating Temperature=70°C, Max Voltage Rating (DC)=12V, Min Operating Temperature=-20°C, Operating Force=160gf, Package Quantity=1, Supplier Part Number 1=EG4344TR-ND, Actuator Length=0.5mm, Actuator Material=Nylon, Actuator Type=Standard, Contact Material=Silver, Contact Plating=Silver, Current Rating=50mA, Electrical Life=50000Cycles, Illumination Type=Non-Illuminated, Lead Free="Lead Free", Mechanical Life=200000Cycles, Mount="Surface Mount", Orientation=Straight, Packaging="Tape and Reel", REACH SVHC="No SVHC", Supplier 1=Digi-Key, Switch Function=Off-Mom, Switch Travel=0.2mm, Termination="Gull Wing", Throw Configuration=SPST, Voltage Rating (DC)=12V
T1: library part NPN, "NPN Bipolar Transistor", Code - JEDEC=TO-226-AA, Published=8-Jun-2000, Publisher="Altium Limited", Revision="July-2002: Re-released for DXP Platform."
U1: library part CMP-05698-000018-1, "IC AMP CLASS D MONO 3.2W 16TQFN", Max Operating Temperature=85°C, Max Output Current=1.6A, Max Output Power=3.2W, Max Power Dissipation=1.666W, Max Supply Voltage=5.5V, Min Operating Temperature=-40°C, Min Supply Voltage=2.5V, Power Supply Rejection Ratio (PSRR)=77dB, Voltage Gain=15dB, Contact Plating=Tin, Mount="Surface Mount", Number of Pins=16, Packaging="Tape and Reel", Radiation Hardening=No, RoHS Compliant=Yes, Series=-
U2: library part NS00922, "IC FLASH 512MBIT SPI 24TPBGA", Supplier Part Number 1=MT25QL512ABB8E12-0AUT-ND, ComponentLink1Description=Datasheet, ComponentLink1URL=H:\Doc\Micron\mt25q_qlkt_l_512_abb_0.pdf, Part Number=NS00922, Supplier 1=Digi-Key, Type=IC
U3: library part CMP-1655-00015-2, "Ultra-Low-Power ARM Cortex-M4 32-bit MCU+FPU, 1024 KB Flash, 128 KB Internal RAM, 82 I/Os, 100-Pin LQFP, -40 to 85 degC, Tray", I/Os (High Current)=82, Manufacturer=STMicroelectronics, Operating Frequency(F) (Processor speed) (MHz)=80, Package Description="100-Pin Low Profile Quad Flat Package, Body 14 x 14 mm, Pitch 0.5 mm", Package Reference=LQFP100, Supplier Part Number 1=497-15873-ND, Supply Voltage(Vcc) min (V)=1.71, ComponentLink1Description="Manufacturer URL", ComponentLink1URL=http://www.st.com/, ComponentLink2Description=Datasheet, ComponentLink2URL=http://www.st.com/st-web-ui/static/active/en/resource/technical/document/datasheet/DM00108832.pdf, Core="ARM Cortex-M4", D/A Converter=2, DatasheetVersion="Rev. 4", FLASH Size (Prog) (kB)=1024, Internal RAM Size (kB)=128, Mounting Technology="Surface Mount", Packing=Tray, PartNumber=STM32L476VGT6, Supplier 1=Digi-Key
U4: "CR2032 COINCELL 3V BATTERY Holder", Manufacturer_Name="Keystone Electronics", Mouser Part Number=534-3034, Supplier Part Number 1=36-3034-ND, Arrow Part Number=3034, Arrow Price/Stock=https://www.arrow.com/en/products/3034/keystone-electronics, Datasheet Link=http://www.keyelco.com/product-pdf.cfm?p=798, Height=4.06mm, Manufacturer_Part_Number=3034, Mouser Price/Stock=https://www.mouser.co.uk/ProductDetail/Keystone-Electronics/3034?qs=LDXARy4xNQtGYr6pIAv90A%3D%3D, Supplier 1=Digi-Key
U5 U18: library part NS00880, "IC REG LINEAR 3.3V 3A D2PAK", Supplier Part Number 1=497-1222-1-ND, ComponentLink1Description=Datasheet, ComponentLink1URL=H:\Doc\ST\en.CD00001883.pdf, Part Number=NS00880, Supplier 1=Digi-Key, Type=IC
U6_1 U6_2 U6_3 U6_4 U6_5 U6_6: library part NS00864, "IC OPAMP GP 2 CIRCUIT 8SO", Supplier Part Number 1=LM2904QS-13DICT-ND, ComponentLink1Description=Datasheet, ComponentLink1URL=H:\Doc\Diodes\LM2902Q-04Q.pdf, Part Number=NS00864, Supplier 1=Digi-Key, Type=IC
U9: library part STMPS2141STR, Ordered by=STM
U11: library part NS00919, "IC VREF SERIES 0.1% SOT23-6", Supplier Part Number 1=MCP1501T-10E/CHYCT-ND, ComponentLink1Description=Datasheet, ComponentLink1URL=H:\Doc\Microchip\20005474E-1.pdf, Part Number=NS00919, Supplier 1=Digi-Key, Type=IC
U12 U13 U14 U15 U19: library part NS00913, "TVS DIODE 5VWM 20VC 8-SOP", Supplier Part Number 1=283-STSP84050U800CT-ND, ComponentLink1Description=Datasheet, ComponentLink1URL=H:\Doc\Eaton\eaton-stsp84xxxxxx-tvs-diode-array-esd-suppressor-data-sheet.pdf, Part Number=NS00913, Supplier 1=Digi-Key, Type=IC
U20: library part CMP-05722-000278-1, "DC DC CONVERTER 0.9-12V", Case/Package=SMD/SMT, Max Input Voltage=60V, Max Operating Temperature=125°C, Max Output Current=2.5A, Max Output Voltage=12V, Min Input Voltage=4.5V, Min Operating Temperature=-40°C, Min Output Voltage=900mV, Supplier Part Number 1=MAXM17503ALJ+-ND, Switching Frequency=1.8MHz, Features=UVLO, Height=0.11inch, Length=0.59inch, Mount="Surface Mount", Number Of Outputs=1, Number of Pins=29, Output Current=2.5A, Output Voltage=12V, Packaging=Rail/Tube, RoHS Compliant=Yes, Series=Himalaya, Supplier 1=Digi-Key, Voltage - Output 1=12V, Width=0.35inch
Y1: library part ABS07W-32.768KHZ-J-1-T, "Crystal or Oscillator", Manufacturer_Name=ABRACON, Mouser Part Number=815-ABS07W32.768KJ1T, RS Part Number=1710341P, Supplier Part Number 1=XC2745TR-ND, Datasheet Link=https://abracon.com/iotoptimized_quartzcrystals/assets/ABS07W.pdf, Manufacturer_Part_Number=ABS07W-32.768KHZ-J-1-T, Mouser Price/Stock=https://www.mouser.com/Search/Refine.aspx?Keyword=815-ABS07W32.768KJ1T, RS Price/Stock=http://uk.rs-online.com/web/p/products/1710341P, Supplier 1=Digi-Key
Y2: "ABS07 Series 32.768 kHz Â±20 ppm 12.5 pF -40 to +85 Â°C SMT Low Profile Crystal", Package="SMD-2 Abracon", Supplier Part Number 1=535-9542-2-ND, Availability=Good, MF=Abracon, MP=ABS07-32.768KHZ-T, Price="0.54 USD", Supplier 1=Digi-Key
Y3: library part CMP-2000-05033-2, "Crystal 8MHz ±20ppm 18pF SMD-2 5mm x 3.2mm", Case/Package=CSMD, ESR (Equivalent Series Resistance)=140R, Frequency Stability=30ppm, Frequency Tolerance=20ppm, Load Capacitance=18pF, Max Operating Temperature=85°C, Min Operating Temperature=-40°C, Package Quantity=1000, Resistor Type=Ceramic, Series Resistance=500R, Supplier Part Number 1=ABM3-8.000MHZ-D2Y-T, Depth=3.2mm, Frequency=8MHz, Height=0.051inch, Lead Free="Lead Free", Length=5mm, Mount="Surface Mount", Number of Pins=2, Packaging="Tape and Reel", Radiation Hardening=No, RoHS Compliant=Yes, Supplier 1=Digi-Key, Termination=SMD/SMT, Tolerance=20ppm, Width=3.2mm

## Free pads (board coordinates)
  round 3.2 hole 3.2: 1(4,4) 1(4,101.85) 1(21,113.2) 1(28.5,139.2) 1(82.5,139.2) 1(96,16)

## Via types
v1: diameter 0.6, hole 0.3, Top Layer to Bottom Layer, tented both sides, 452 vias
v2: diameter 0.6, hole 0.3, Top Layer to Bottom Layer, 34 vias
v3: diameter 1, hole 0.5, Top Layer to Bottom Layer, tented both sides, 15 vias

## Nets (pads, with @x,y where several pads share a name; then routed paths per layer and width w, separated by ;. In a path a pad name is that pad's centre, name@x,y a point inside that pad or via, vN(x,y) a via of type N, cw(c..) or ccw(c..) an arc to the next point about the centre after c; other vN are vias at no path point)
5V_VCC: U20.9
+3.3_R: C72.2 D10.2 U19.2 U19.3 | length 8.7
  Top Layer w0.5: U19.3@88.438,105.648 88.488,105.598 89.702,105.598 v1(90.312,104.988) ; U19.2@88.538,104.378 89.702,104.378 v1(90.312,104.988) ; D10.2@92.1,102.3 C72.2@92.1,105 92.088,104.988 v1(90.312,104.988)
+3.3V: +3.3V.1 C15.2 C52.2 C75.1 C79.2 C80.2 C87.2 D10.1 FB5.1 FB12.2 IC2.2 R1.1 R7.2 R15.2 R17.2 R19.2 R46.2 R64.2 R65.1 R68.2 R89.1 R115.2 U11.4 U11.6 U18.2 | length 527.7
  Top Layer w0.2: C75.1@68.885,67.429 68.885,66.726 v1@69.347,66.264 ; v1@69.367,66.243 69.908,65.703 IC2.2@70.931,65.703
  Top Layer w0.3: R89.1@28.215,80.988 28.215,80.963 28.843,80.335 28.843,79.813 v1(28.9,79.756) ; R19.2@36.01,80.988 R17.2@37.495,80.988 R15.2@38.98,80.988 v1@38.98,79.465 ; v1(46.736,85.344) 46.817,85.344 47.025,85.136 47.414,85.136 R7.2@47.714,84.836 ; R115.2@75.42,27.2 R115.2@75.438,27.182 ; +3.3V.1@75.438,24.638 R115.2@75.438,27.182 ; v1(76.962,26.924) 75.696,26.924 R115.2@75.438,27.182
  Top Layer w0.35: R46.2@13.425,17.95 13.425,21.933 18.542,27.051 v1(18.542,34.036) ; v2(87.376,72.644) R64.2@87.376,73.914 R65.1@87.376,75.438
  Top Layer w0.5: FB12.2@18.6,70.3 C87.2@18.6,72.3 18.807,72.507 18.807,74.383 19.1,74.676 24.464,74.676 ; FB5.1@24.533,82.327 24.464,82.258 C15.2@24.464,79.477 24.464,74.676 ; v1(35.814,37.338) 29.972,43.18 29.972,69.168 24.464,74.676 ; v1(45.466,104.394) 58.928,104.394 63.754,109.22 63.754,116.586 64.262,117.094 64.262,119.349 63.461,120.15 63.15,120.15 C52.2@62.7,120.6 ; U11.4@60.25,118.75 60.275,118.775 60.775,118.775 61.3,119.3 61.3,120.5 61.45,120.65 ; U11.6@60.25,120.65 61.45,120.65 ; C52.2@62.65,120.65 61.45,120.65 ; v1(90.53,99.87) D10.1@92.1,99.87 ; R68.2@96.52,77.47 v2(96.52,78.74)
  Top Layer w0.6: R1.1@12.446,71.546 15.412,71.546 16.166,72.3 C87.2@18.6,72.3
  Top Layer w1: C79.2@84.62,33.528 86.464,33.528 86.614,33.678 C80.2@86.614,33.782 86.764,33.632 86.764,32.195 91.273,27.686 v3(91.948,27.686)
  Layer 1 w0.3: v1(39.116,79.248) 44.065,79.248 ; 44.3,79.013 44.065,79.248 ; v1(46.736,85.344) 44.065,82.673 44.065,79.248
  Layer 1 w0.35: v1(69.388,66.264) 69.401,66.251 75.649,66.251 82.042,72.644 v2(87.376,72.644) 90.424,72.644 v2(96.52,78.74)
  Layer 1 w0.5: 67.521,74.379 74.61,81.468 74.61,83.373 82.9,91.663 82.9,96.489 85.311,98.9 89.56,98.9 v1(90.53,99.87)
  Layer 1 w1: 44.3,79.013 54.387,79.013 55.676,77.724 64.176,77.724 67.521,74.379 75.649,66.251 93.4,48.5 93.4,29.138 v3(91.948,27.686)
  Layer 2 w0.5: v1(27.356,36.551) 26.4,37.506 26.4,70.596 28.9,73.096 v1(28.9,79.756) 28.9,87.828 v1(45.466,104.394) ; v1(35.814,37.338) v1(46.228,26.924)
  Bottom Layer w0.35: v1(18.542,34.036) 24.841,34.036 v1(27.356,36.551)
  Bottom Layer w0.5: v1(46.228,26.924) v1(76.962,26.924) v3(89.408,26.924)
  Bottom Layer w0.6: v1(27.356,36.551) 28.092,35.814 38.354,35.814 43.18,30.988 87.376,30.988 v3(89.408,28.956)
+3V3: 3V3.1 C27.2 C91.2 C92.2 FB7.2 R28.2 U5.2 | length 71.6
  Top Layer w0.3: R28.2@72.644,27.2 3V3.1@72.644,24.638 72.644,24.618 75.73,21.532
  Top Layer w0.6: FB7.2@65.024,61.833 67.089,61.833 C27.2@67.056,61.8 ; C27.2@67.388,61.468 v1(70.358,61.468)
  Top Layer w0.8: C91.2@75.73,21.082 75.73,15.71 U5.2@76.708,14.732 78.072,16.096 C92.2@78.072,21.59 77.822,21.84 77.822,23.216 77.724,23.314 v3(77.724,23.368)
  Layer 2 w0.6: v3(77.724,23.368) 77.724,26.484 80.518,29.278 v1(80.518,51.308)
  Bottom Layer w0.6: v1(70.358,61.468) v1(80.518,51.308)
+5V: +5V.1 C1.2 C63.2 C73.1 C74.1 FB1.1 FB4.2 IC1.8 L4.1 LS1.2 R31_1.1 R31_2.1 R31_3.1 R31_4.1 R31_5.1 R31_6.1 R69.2 R103.2 R104.2 R130.1 R131.2 R132.1 U9.5 U12.2 U12.3 U13.2 U13.3 U14.2 U14.3 U15.2 U15.3 | length 590.7
  Top Layer w0.2: C74.1@70.155,67.412 70.282,67.285 v1(71.04,67.285) R132.1@71.798,67.285
  Top Layer w0.35: v2(73.609,64.414) 73.561,64.367 73.561,63.698 73.508,63.644 75.403,63.644 75.565,63.806 IC1.8@75.565,64.131 ; LS1.2@84.125,51.156 +5V.1@87.376,47.904
  Top Layer w0.5: FB1.1@2.54,54.88 2.968,54.452 C1.2@2.968,53.086 2.968,51.586 v1(3.868,50.686) ; U15.3@4.062,93.652 2.622,93.652 v3(1.987,94.287) 2.622,94.922 U15.2@4.062,94.922 ; R31_2.1@30.4,121.4 31.4,121.4 v1(32.6,120.2) ; U12.2@39.538,137.678 41.152,137.678 41.676,138.202 v1(41.676,138.313) 41.676,138.424 41.152,138.948 U12.3@39.538,138.948 ; v1(40.386,74.93) FB4.2@42.688,74.93 ; v3@40.9,25.24 v3(40.9,25.2) 40.951,25.251 R104.2@40.951,28.584 R103.2@40.951,30.085 ; R31_1.1@42.6,122.1 v1(44.1,122.1) ; U13.3@47.662,130.352 46.048,130.352 45.524,130.876 v1(45.524,130.987) 45.524,131.098 46.048,131.622 U13.2@47.662,131.622 ; U14.3@61.162,138.852 59.548,138.852 59.024,139.376 v1(59.024,139.487) 59.024,139.598 59.548,140.122 U14.2@61.162,140.122 ; v1(67.7,124.121) R31_3.1@67.7,125.2 ; v1(74.1,110.2) R31_6.1@74.1,111.4 ; v1(76.733,69.215) 77.285,68.663 R130.1@78.08,68.663 R131.2@79.35,68.663 87.205,68.663 90.534,71.992 90.534,75.294 R69.2@90.678,75.438 90.678,75.451 90.932,75.705 U9.5@90.932,77.156 ; v1(79.4,126.874) R31_4.1@79.4,128.1 ; v1(86.9,110.767) R31_5.1@86.9,111.9
  Top Layer w2: L4.1@41.02,18.15 v3@41.02,25.2
  Layer 1 w0.5: v1(32.6,120.2) 34.4,118.4 46,118.4 46.1,118.3 ; v3@41.02,25.32 41.02,25.12 50.82,25.12 54.1,28.4 72.088,28.4 v3(77.724,34.036) ; v1(41.676,138.313) 41.676,134.835 v1(45.524,130.987) 45.937,131.4 57.4,131.4 60.3,134.3 60.3,136.3 59.024,137.576 v1(59.024,139.487) ; v1(44.1,122.1) 46.1,122.1 ; 54.7,113.1 56.5,114.9 62.6,114.9 64,116.3 64,120.421 v1(67.7,124.121) 76.648,124.121 v1(79.4,126.874) ; 58.4,109.4 59.9,110.9 73.4,110.9 v1(74.1,110.2) 74.667,110.767 v1(86.9,110.767)